# Altium PCB S3220A.PcbDoc (part 2 of 3) (continued)
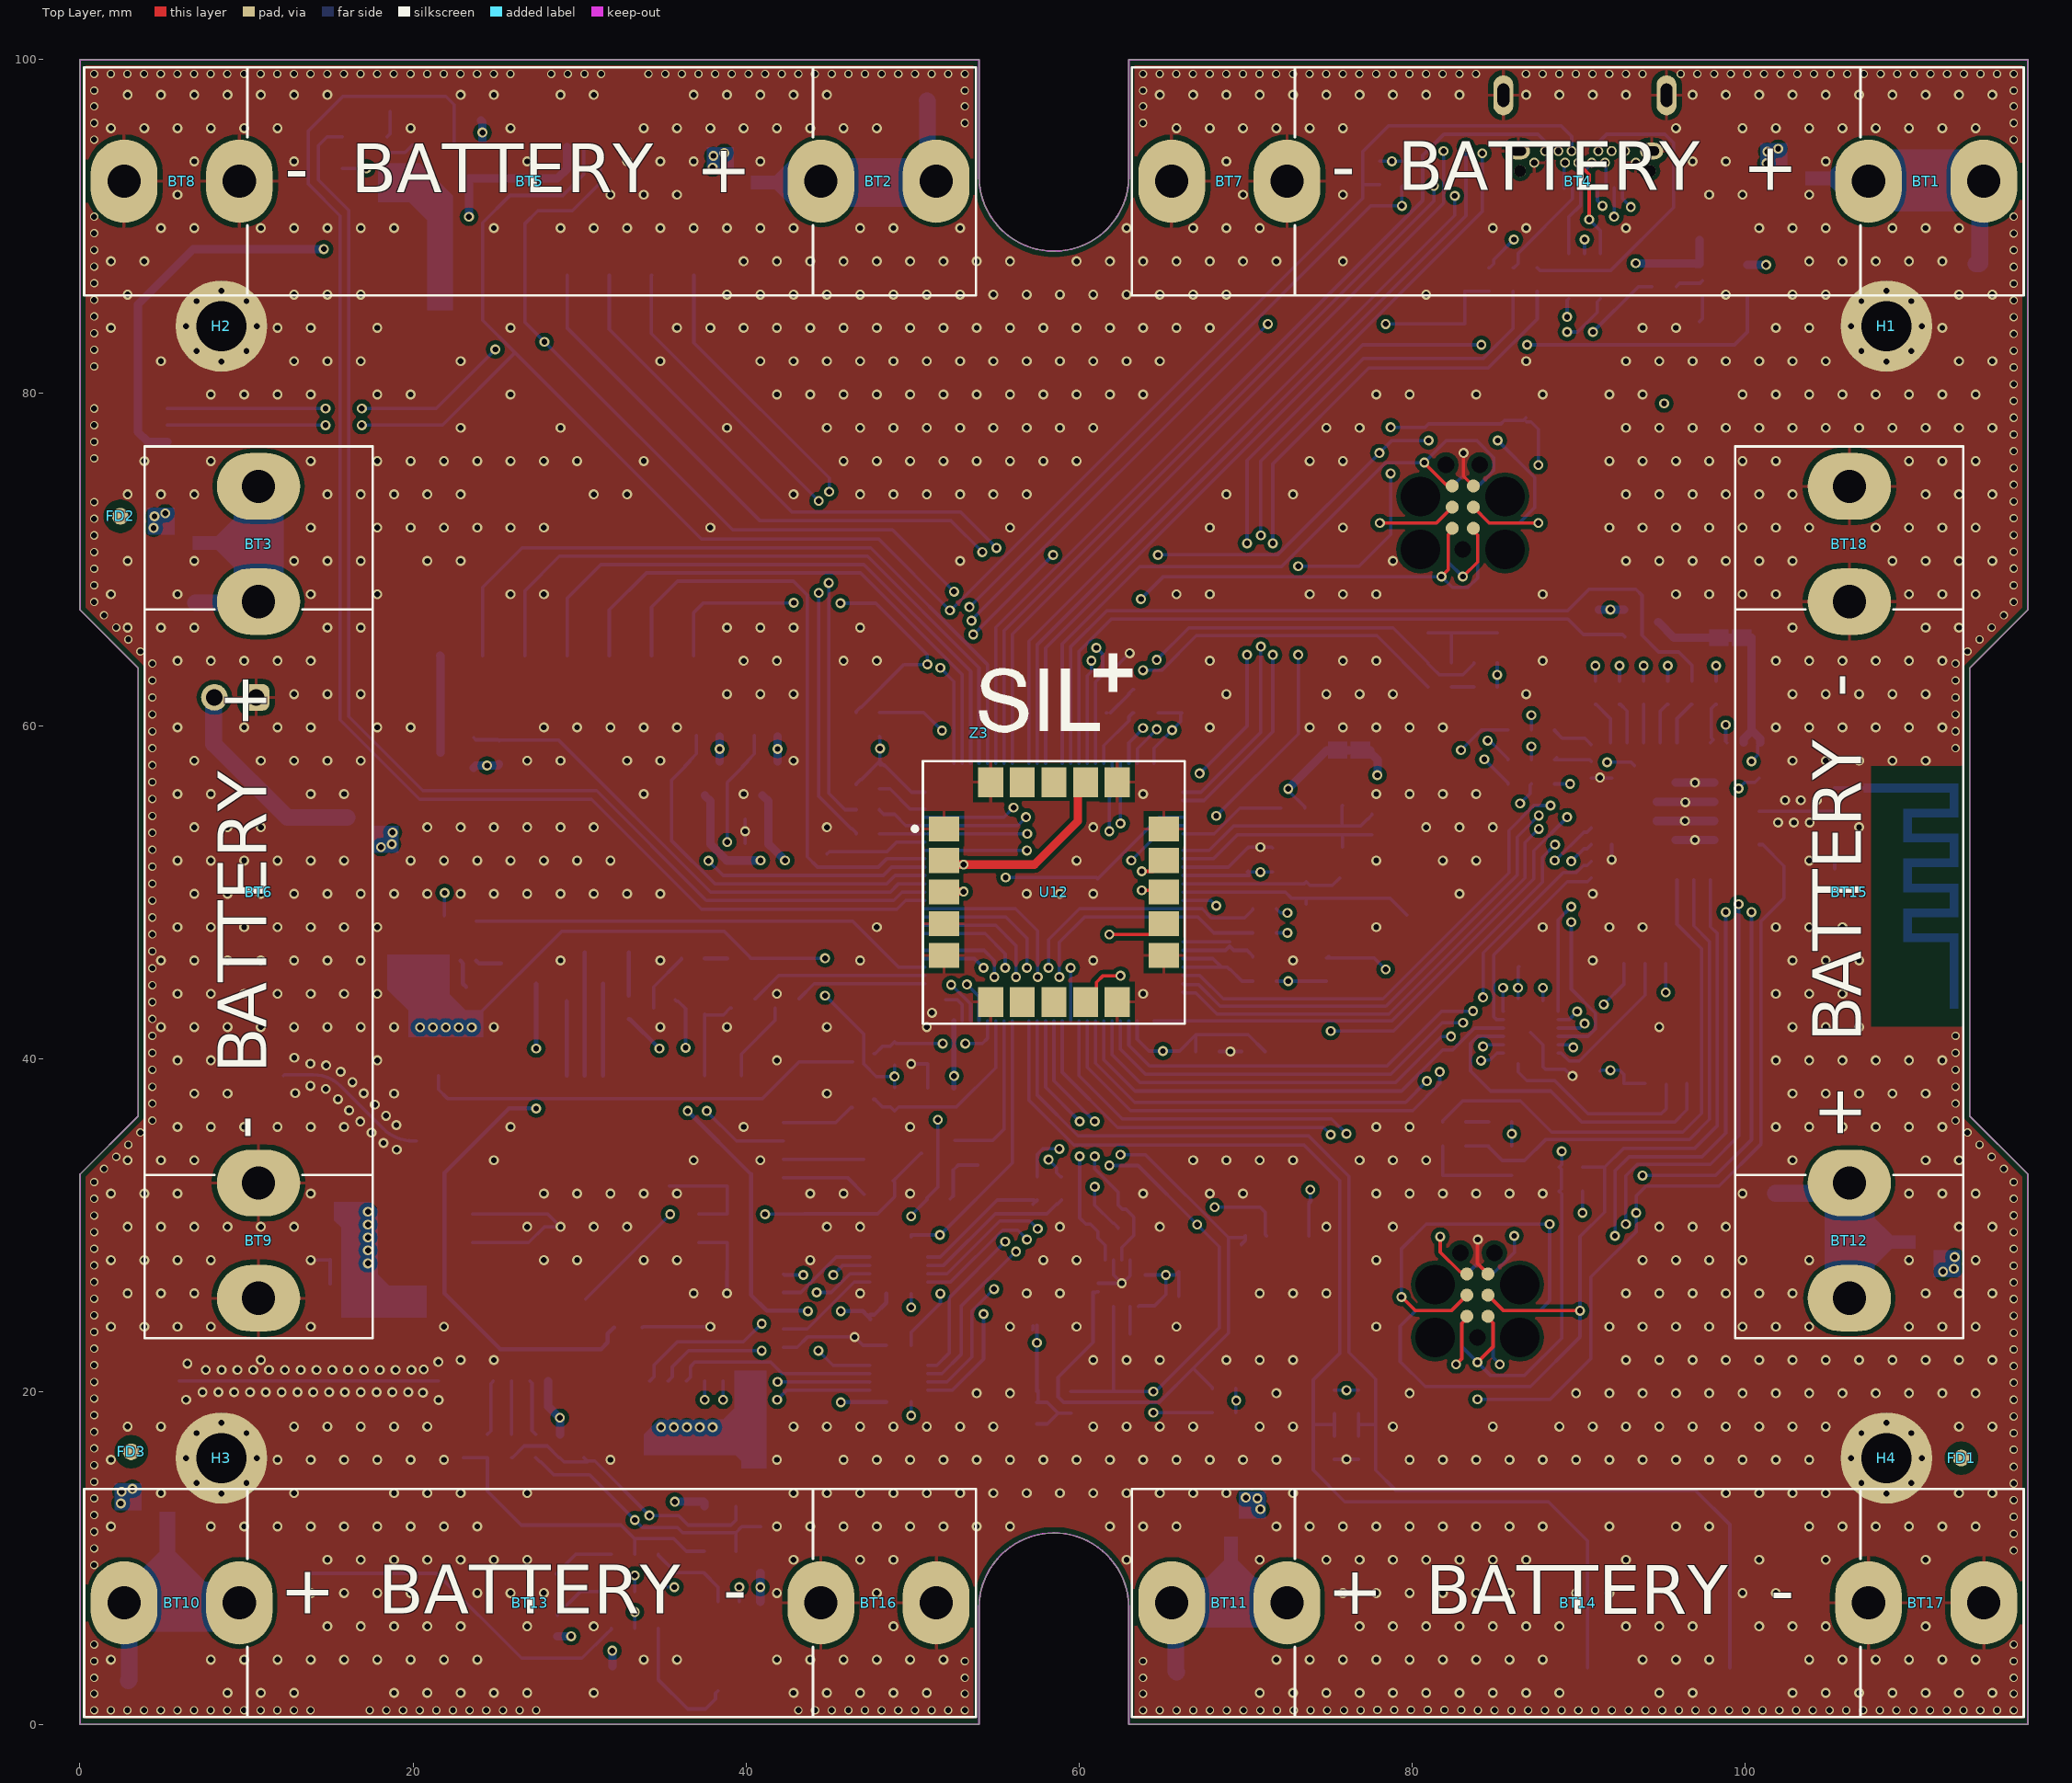
[diagram p0: Top Layer view]
## Nets (pads, with @x,y where several pads share a name; then routed paths per layer and width w, separated by ;. In a path a pad name is that pad's centre, name@x,y a point inside that pad or via, vN(x,y) a via of type N, cw(c..) or ccw(c..) an arc to the next point about the centre after c; other vN are vias at no path point) (continued)
FLASH_MOSI: U16.12 U17.5 | length 19.9
  Bottom Layer w0.2: U16.12@85.481,41.333 83.958,41.333 83.525,40.9 83.525,39.25 84.725,38.05 88.35,38.05 90.225,36.175 95.775,36.175 96.525,36.925 U17.5@96.525,38.5
FLASH_MOSI_BLE: U11.47 U16.14 | length 12.1
  Bottom Layer w0.2: U16.14@85.481,42.333 85.092,42.333 84.925,42.5 84.925,46.219 89.331,50.625 90.55,50.625 U11.47@90.775,50.85
FLASH_MOSI_CPU: U3.32 U16.13 | length 28.7
  Bottom Layer w0.2: U3.32@61.5,42.262 61.5,39.925 63.375,38.05 79.375,38.05 81.85,40.525 82.45,40.525 83.758,41.833 U16.13@85.481,41.833
FLASH_SCK: U16.9 U17.6 | length 12
  Bottom Layer w0.2: U16.9@86.381,39.683 86.381,39.194 86.9,38.675 88.575,38.675 90.575,36.675 94.975,36.675 95.275,36.975 U17.6@95.275,38.45
FLASH_SCK_BLE: U11.48 U16.11 | length 15.7
  Internal 2 w0.2: v1(84.275,40.725) v1(84.275,43.675)
  Bottom Layer w0.2: v1(84.275,40.725) 84.383,40.725 84.491,40.833 U16.11@85.481,40.833 ; v1(84.275,43.675) 84.275,46.344 89.106,51.175 89.875,51.175 90.3,51.6 90.525,51.6 U11.48@90.775,51.85
FLASH_SCK_CPU: U3.30 U16.10 | length 28.4
  Internal 2 w0.2: v1(83.075,42.15) 83.075,40.95 v1(84.15,39.875)
  Bottom Layer w0.2: U3.30@62.5,42.262 62.5,40.55 64,39.05 78.725,39.05 81.825,42.15 v1(83.075,42.15) ; v1(84.15,39.875) 84.187,39.912 84.687,39.912 85.108,40.333 U16.10@85.481,40.333
GND: BT7.1 BT8.1 BT9.1 BT16.1 BT17.1 BT18.1 C1.1 C2.1 C3.1 C4.1 C5.1 C6.1 C7.1 C8.1 C9.1 C10.1 C11.1 C12.1 C13.1 C14.1 C15.1 C17.1 C18.1 C19.1 C20.1 C21.1 C22.1 C23.1 C24.1 C25.1 C26.1 C27.1 C28.1 C29.1 C30.1 C31.1 C32.1 C33.2 C34.1 C35.1 C36.1 C37.1 C38.1 C39.1 C40.1 C41.2 C42.1 C43.1 C44.2 C45.2 C46.1 C47.1 C48.1 C49.1 C50.1 C51.1 C52.1 C53.1 C54.1 C55.2 C56.1 C57.2 C58.2 C59.1 C60.1 C61.2 CN1.1 CN2.A1 CN2.A12 CN2.B1 CN2.B12 CN2.S1@85.498,97.865 CN2.S2@95.298,97.865 CN2.S3@86.398,94.515 CN2.S4@94.398,94.515 CN3.1 CN4.1 CN5.2 CN6.2 CN7.5 CN8.G CN9.G CN10.0 CN10.C5 CN11.G CN12.5 D2.1 H1.0 H2.0 H3.0 H4.0 M1.1 M1.16 PB1.1 PB2.2 PB3.2 PB4.1 Q1.1 Q2.1 Q3.1 Q4.1 Q5.1 Q6.1 Q7.1 Q10.2 Q11.2 Q12.2 Q13.2 Q14.2 R4.1 R12.1 R20.1 R21.1 R49.2 U1.2 U2.2 U3.10 U3.27 U3.49 U3.74 U3.99 U4.2 U5.C5 U6.2 U7.3 U7.31 U7.47 U7.48 U7.50 U7.54 U7.55 U7.58 U7.59 U7.61 U7.62 U7.67 U7.68 U7.69 U7.70 U7.71 U7.72 U7.73 U7.74 U7.79 U7.80 U7.81 U7.82 U7.89 U7.90 U7.91 U7.100 U7.101 U7.102 U8.7 U9.7 U10.2 U11.6 U11.12 U11.14 U11.26 U11.30 U11.53 U11.56 U11.57 U11.58 U11.59 U11.60 U11.61 U11.62 U11.63 U11.64 U11.65 U11.66 U11.67 U12.1 U12.4 U12.5 U12.6 U12.10 U12.11 U12.15 U12.16 U12.20 U13.1 U13.2 U13.3 U13.4 U13.7 U14.1 U14.7 U15.5 U15.7 U15.10 U15.12 U16.8 U16.17 U17.4 | length 85.5
  Top Layer w0.2: v1(83.1,76.375) 83.1,74.99 CN7.5@83.695,74.395 ; v1@83.935,29.125 83.935,27.695 CN12.5@84.57,27.06
  Bottom Layer w0.2: v1(13.862,27.892) 14.992,27.892 C34.1@15.025,27.925 C33.2@15.025,26.475 ; U7.80@23.575,28.95 U7.100@25.275,28.95 26.95,28.95 27.892,29.892 v1(28.862,29.892) 28.104,30.65 U7.101@25.275,30.65 U7.81@23.575,30.65 ; U7.74@33.775,23.85 33.817,23.892 v1(37.862,23.892) ; 35.4,32.35 U7.89@37.175,32.35 U7.69@38.875,32.35 U7.70@38.875,30.65 U7.90@37.175,30.65 ; U7.91@37.175,28.95 U7.71@38.875,28.95 U7.72@38.875,27.25 38.862,27.237 v1(38.862,25.892) ; C51.1@39.95,52.925 C50.1@39.95,54.375 ; U7.31@42.25,22.65 43.075,22.65 43.7,23.275 v1(46.525,23.275) 47.025,22.775 U8.7@48.425,22.775 ; v1(49.925,39.675) C22.1@50.925,39.675 C21.1@50.925,38.225 ; 52,43.525 52.7,43.525 53,43.225 U3.49@53,42.262 ; U15.7@61.175,26.5 v1@62.575,26.5 ; R21.1@61.85,62.175 61.85,63.15 v1(63.05,64.35) ; U15.10@62.075,27.9 62.075,27 v1@62.575,26.5 ; U15.12@63.075,27.9 63.075,26.95 62.625,26.5 v1@62.575,26.5 ; U3.10@66.238,51.5 68.975,51.5 69.875,52.4 70.125,52.65 C17.1@70.175,52.65 ; C19.1@68.425,40.425 C20.1@69.775,40.425 ; C17.1@70.175,52.7 70.85,52.7 70.9,52.65 70.95,52.7 71.575,52.7 C18.1@71.625,52.65 ; C10.1@75.35,15.925 C9.1@76.8,15.925 ; CN7.5@82.425,74.395 82.445,74.395 83.1,75.05 v1(83.1,76.375) ; CN12.5@83.3,27.06 83.935,27.695 v1@83.935,29.125 ; U16.17@87.125,41.575 87.881,40.819 U16.8@87.881,39.683 87.881,39.514 88.045,39.35 89.201,39.35 89.601,38.95 v1(89.65,38.95) ; U11.53@90.775,56.85 U11.30@92,56.85 ; v1(92,51.95) U11.26@92,52.85
  Bottom Layer w0.5: U11.58@94.7,54.275 U11.59@95.85,54.275 U11.60@97,54.275 U11.61@98.15,54.275 ; U11.62@94.7,55.425 U11.63@95.85,55.425 U11.64@97,55.425 U11.65@98.15,55.425 ; U11.56@95.85,53.125 U11.57@98.15,53.125 ; U11.66@95.85,56.575 U11.67@98.15,56.575
  other v1: 8.862,1.892 10.862,1.892 12.862,1.892 18.862,1.892 20.862,1.892 22.862,1.892 24.862,1.892 26.862,1.892 30.862,1.892 42.862,1.892 44.862,1.892 46.862,1.892 48.862,1.892 50.862,1.892 70.862,1.892 72.862,1.892 74.862,1.892 76.862,1.892 78.862,1.892 80.862,1.892 82.862,1.892 84.862,1.892 86.862,1.892 88.862,1.892 94.862,1.892 96.862,1.892 102.862,1.892 104.862,1.892 106.862,1.892 108.862,1.892 110.862,1.892 112.862,1.892 114.862,1.892 1.862,3.892 7.862,3.892 9.862,3.892 11.862,3.892 13.862,3.892 15.862,3.892 17.862,3.892 19.862,3.892 21.862,3.892 23.862,3.892 33.862,3.892 35.862,3.892 41.862,3.892 43.862,3.892 45.862,3.892 47.862,3.892 49.862,3.892 51.862,3.892 71.862,3.892 73.862,3.892 75.862,3.892 77.862,3.892 79.862,3.892 81.862,3.892 83.862,3.892 85.862,3.892 87.862,3.892 93.862,3.892 95.862,3.892 97.862,3.892 103.862,3.892 105.862,3.892 107.862,3.892 109.862,3.892 111.862,3.892 113.862,3.892 14.862,5.892 16.862,5.892 18.862,5.892 20.862,5.892 22.862,5.892 26.862,5.892 30.862,5.892 48.862,5.892 76.862,5.892 78.862,5.892 80.862,5.892 82.862,5.892 84.862,5.892 86.862,5.892 88.862,5.892 92.862,5.892 94.862,5.892 96.862,5.892 100.862,5.892 102.862,5.892 104.862,5.892 110.862,5.892 13.862,7.892 15.862,7.892 17.862,7.892 19.862,7.892 23.862,7.892 25.862,7.892 27.862,7.892 41.862,7.892 47.862,7.892 75.862,7.892 77.862,7.892 79.862,7.892 81.862,7.892 83.862,7.892 85.862,7.892 89.862,7.892 91.862,7.892 99.862,7.892 101.862,7.892 14.862,9.892 16.862,9.892 18.862,9.892 20.862,9.892 22.862,9.892 24.862,9.892 26.862,9.892 42.862,9.892 46.862,9.892 48.862,9.892 62.862,9.892 70.862,9.892 74.862,9.892 76.862,9.892 78.862,9.892 80.862,9.892 82.862,9.892 84.862,9.892 86.862,9.892 92.862,9.892 100.862,9.892 104.862,9.892 110.862,9.892 1.862,11.892 7.862,11.892 9.862,11.892 11.862,11.892 13.862,11.892 15.862,11.892 17.862,11.892 19.862,11.892 21.862,11.892 23.862,11.892 41.862,11.892 43.862,11.892 45.862,11.892 47.862,11.892 49.862,11.892 51.862,11.892 53.862,11.892 55.862,11.892 61.862,11.892 63.862,11.892 65.862,11.892 71.862,11.892 73.862,11.892 75.862,11.892 77.862,11.892 79.862,11.892 81.862,11.892 83.862,11.892 85.862,11.892 87.862,11.892 91.862,11.892 95.862,11.892 97.862,11.892 103.862,11.892 105.862,11.892 107.862,11.892 109.862,11.892 111.862,11.892 113.862,11.892 4.862,13.892 12.862,13.892 18.862,13.892 20.862,13.892 22.862,13.892 26.862,13.892 42.862,13.892 44.862,13.892 46.862,13.892 48.862,13.892 50.862,13.892 52.862,13.892 54.862,13.892 56.862,13.892 58.862,13.892 60.862,13.892 62.862,13.892 64.862,13.892 66.862,13.892 68.862,13.892 72.862,13.892 98.862,13.892 100.862,13.892 102.862,13.892 104.862,13.892 112.862,13.892 114.862,13.892 1.862,15.892 11.862,15.892 13.862,15.892 15.862,15.892 17.862,15.892 19.862,15.892 21.862,15.892 31.862,15.892 41.862,15.892 45.862,15.892 47.862,15.892 49.862,15.892 51.862,15.892 53.862,15.892 55.862,15.892 57.862,15.892 59.862,15.892 61.862,15.892 63.862,15.892 65.862,15.892 67.862,15.892 69.862,15.892 71.862,15.892 79.862,15.892 81.862,15.892 83.862,15.892 85.862,15.892 87.862,15.892 89.862,15.892 91.862,15.892 93.862,15.892 95.862,15.892 97.862,15.892 99.862,15.892 101.862,15.892 103.862,15.892 76.075,15.925 2.862,17.892 4.862,17.892 12.862,17.892 14.862,17.892 16.862,17.892 18.862,17.892 20.862,17.892 42.862,17.892 44.862,17.892 46.862,17.892 48.862,17.892 50.862,17.892 52.862,17.892 54.862,17.892 60.862,17.892 62.862,17.892 64.862,17.892 66.862,17.892 70.862,17.892 72.862,17.892 78.862,17.892 84.862,17.892 88.862,17.892 90.862,17.892 92.862,17.892 94.862,17.892 96.862,17.892 98.862,17.892 100.862,17.892 102.862,17.892 104.862,17.892 112.862,17.892 114.862,17.892 6.375,19.5 21.539,19.489 53.862,19.892 55.862,19.892 71.862,19.892 79.862,19.892 89.862,19.892 91.862,19.892 93.862,19.892 95.862,19.892 97.862,19.892 99.862,19.892 101.862,19.892 103.862,19.892 105.862,19.892 107.862,19.892 109.862,19.892 111.862,19.892 113.862,19.892 20.6,19.925 7.363,19.956 8.313,19.956 9.263,19.956 10.213,19.956 11.163,19.956 12.113,19.956 13.063,19.956 14.013,19.956 14.963,19.956 15.913,19.956 16.863,19.956 17.813,19.956 18.763,19.956 19.713,19.956 7.556,21.294 8.506,21.294 9.456,21.294 10.406,21.294 11.356,21.294 12.306,21.294 13.256,21.294 14.206,21.294 15.156,21.294 16.106,21.294 17.056,21.294 18.006,21.294 18.956,21.294 19.906,21.294 20.65,21.325 6.45,21.675 21.525,21.775 10.862,21.892 22.862,21.892 24.862,21.892 60.862,21.892 62.862,21.892 64.862,21.892 68.862,21.892 70.862,21.892 72.862,21.892 92.862,21.892 94.862,21.892 96.862,21.892 98.862,21.892 100.862,21.892 102.862,21.892 104.862,21.892 106.862,21.892 108.862,21.892 110.862,21.892 112.862,21.892 114.862,21.892 1.862,23.892 3.862,23.892 5.862,23.892 7.862,23.892 13.862,23.892 21.862,23.892 55.862,23.892 59.862,23.892 65.862,23.892 77.862,23.892 91.862,23.892 93.862,23.892 95.862,23.892 97.862,23.892 99.862,23.892 101.862,23.892 103.862,23.892 109.862,23.892 111.862,23.892 113.862,23.892 2.862,25.892 4.862,25.892 6.862,25.892 36.862,25.892 46.862,25.892 56.862,25.892 58.862,25.892 70.862,25.892 72.862,25.892 74.862,25.892 92.862,25.892 94.862,25.892 96.862,25.892 98.862,25.892 100.862,25.892 102.862,25.892 110.862,25.892 112.862,25.892 114.862,25.892 62.575,26.5 1.862,27.892 3.862,27.892 5.862,27.892 7.862,27.892 27.862,27.892 29.862,27.892 33.862,27.892 35.862,27.892 43.862,27.892 57.862,27.892 59.862,27.892 77.862,27.892 93.862,27.892 95.862,27.892 97.862,27.892 99.862,27.892 103.862,27.892 109.862,27.892 113.862,27.892 83.96,29.125 2.862,29.892 4.862,29.892 6.862,29.892 8.862,29.892 10.862,29.892 12.862,29.892 26.862,29.892 30.862,29.892 32.862,29.892 44.862,29.892 46.862,29.892 58.862,29.892 64.862,29.892 74.862,29.892 78.862,29.892 94.862,29.892 96.862,29.892 98.862,29.892 112.862,29.892 114.862,29.892 1.862,31.892 3.862,31.892 5.862,31.892 13.862,31.892 27.862,31.892 29.862,31.892 31.862,31.892 33.862,31.892 35.862,31.892 43.862,31.892 45.862,31.892 49.862,31.892 63.862,31.892 67.862,31.892 69.862,31.892 77.862,31.892 79.862,31.892 81.862,31.892 83.862,31.892 85.862,31.892 87.862,31.892 99.862,31.892 109.862,31.892 111.862,31.892 113.862,31.892 2.862,33.892 4.862,33.892 6.862,33.892 24.862,33.892 36.862,33.892 40.862,33.892 66.862,33.892 68.862,33.892 70.862,33.892 72.862,33.892 76.862,33.892 78.862,33.892 80.862,33.892 102.862,33.892 110.862,33.892 112.862,33.892 19.025,34.525 18.227,34.924 17.509,35.545 5.862,35.892 7.862,35.892 9.862,35.892 11.862,35.892 13.862,35.892 15.862,35.892 25.862,35.892 39.862,35.892 49.862,35.892 77.862,35.892 79.862,35.892 101.862,35.892 103.862,35.892 105.862,35.892 107.862,35.892 109.862,35.892 111.862,35.892 19,36 16.837,36.217 18.384,36.562 16.165,36.889 17.712,37.234 15.494,37.56 6.862,37.892 8.862,37.892 18.862,37.892 44.862,37.892 102.862,37.892 104.862,37.892 106.862,37.892 108.862,37.892 110.862,37.892 17.04,37.906 12.925,37.925 14.767,38.173 13.835,38.356 16.369,38.578 15.654,39.203 14.785,39.589 13.841,39.694 5.862,39.892 7.862,39.892 17.862,39.892 41.862,39.892 101.862,39.892 103.862,39.892 105.862,39.892 107.862,39.892 109.862,39.892 111.862,39.892 12.875,40.05 69.1,40.425 4.862,41.892 6.862,41.892 8.862,41.892 10.862,41.892 12.862,41.892 14.862,41.892 16.862,41.892 18.862,41.892 24.862,41.892 34.862,41.892 38.862,41.892 44.862,41.892 50.862,41.892 94.862,41.892 102.862,41.892 104.862,41.892 106.862,41.892 51.175,42.75 5.862,43.892 7.862,43.892 9.862,43.892 11.862,43.892 13.862,43.892 15.862,43.892 17.862,43.892 41.862,43.892 63.862,43.892 101.862,43.892 103.862,43.892 105.862,43.892 4.862,45.892 6.862,45.892 8.862,45.892 10.862,45.892 12.862,45.892 14.862,45.892 16.862,45.892 28.862,45.892 34.862,45.892 46.862,45.892 60.862,45.892 72.862,45.892 90.862,45.892 102.862,45.892 104.862,45.892 106.862,45.892 5.862,47.892 7.862,47.892 9.862,47.892 11.862,47.892 13.862,47.892 15.862,47.892 17.862,47.892 47.862,47.892 77.862,47.892 87.862,47.892 91.862,47.892 93.862,47.892 101.862,47.892 103.862,47.892 105.862,47.892 6.862,49.892 8.862,49.892 10.862,49.892 12.862,49.892 14.862,49.892 16.862,49.892 18.862,49.892 20.862,49.892 22.862,49.892 24.862,49.892 26.862,49.892 28.862,49.892 30.862,49.892 32.862,49.892 34.862,49.892 56.862,49.892 58.862,49.892 60.862,49.892 82.862,49.892 90.862,49.892 5.862,51.892 7.862,51.892 9.862,51.892 11.862,51.892 13.862,51.892 15.862,51.892 19.862,51.892 21.862,51.892 23.862,51.892 25.862,51.892 27.862,51.892 29.862,51.892 31.862,51.892 59.862,51.892 77.862,51.892 81.862,51.892 83.862,51.892 103.862,51.892 70.9,52.7 97,53.125 39.95,53.65 6.862,53.892 8.862,53.892 10.862,53.892 20.862,53.892 22.862,53.892 24.862,53.892 26.862,53.892 28.862,53.892 30.862,53.892 44.862,53.892 60.862,53.892 80.862,53.892 82.862,53.892 84.862,53.892 106.862,53.892 101.995,54.181 102.945,54.181 103.895,54.181 96.4,54.275 96.425,55.4 102.412,55.519 103.362,55.519 104.312,55.519 5.862,55.892 7.862,55.892 13.862,55.892 15.862,55.892 33.862,55.892 39.862,55.892 63.862,55.892 77.862,55.892 79.862,55.892 81.862,55.892 83.862,55.892 97,56.575 91.3,56.875 6.862,57.892 10.862,57.892 12.862,57.892 14.862,57.892 16.862,57.892 26.862,57.892 28.862,57.892 32.862,57.892 34.862,57.892 42.862,57.892 102.862,57.892 104.862,57.892 106.862,57.892 108.862,57.892 110.862,57.892 5.862,59.892 9.862,59.892 11.862,59.892 13.862,59.892 17.862,59.892 19.862,59.892 27.862,59.892 29.862,59.892 31.862,59.892 33.862,59.892 35.862,59.892 67.862,59.892 73.862,59.892 75.862,59.892 77.862,59.892 79.862,59.892 81.862,59.892 101.862,59.892 103.862,59.892 105.862,59.892 107.862,59.892 109.862,59.892 111.862,59.892 12.862,61.892 14.862,61.892 16.862,61.892 38.862,61.892 40.862,61.892 42.862,61.892 68.862,61.892 74.862,61.892 76.862,61.892 78.862,61.892 86.862,61.892 102.862,61.892 104.862,61.892 106.862,61.892 108.862,61.892 110.862,61.892 5.862,63.892 7.862,63.892 9.862,63.892 11.862,63.892 13.862,63.892 39.862,63.892 41.862,63.892 45.862,63.892 47.862,63.892 67.862,63.892 75.862,63.892 77.862,63.892 87.862,63.892 101.862,63.892 103.862,63.892 105.862,63.892 107.862,63.892 109.862,63.892 111.862,63.892 2.862,65.892 4.862,65.892 6.862,65.892 14.862,65.892 16.862,65.892 38.862,65.892 40.862,65.892 42.862,65.892 46.862,65.892 102.862,65.892 110.862,65.892 112.862,65.892 1.862,67.892 5.862,67.892 13.862,67.892 17.862,67.892 25.862,67.892 27.862,67.892 65.862,67.892 67.862,67.892 73.862,67.892 75.862,67.892 77.862,67.892 87.862,67.892 95.862,67.892 97.862,67.892 99.862,67.892 101.862,67.892 109.862,67.892 111.862,67.892 113.862,67.892 2.862,69.892 6.862,69.892 12.862,69.892 14.862,69.892 16.862,69.892 20.862,69.892 22.862,69.892 52.862,69.892 78.862,69.892 92.862,69.892 94.862,69.892 96.862,69.892 98.862,69.892 100.862,69.892 102.862,69.892 108.862,69.892 110.862,69.892 112.862,69.892 114.862,69.892 13.862,71.892 17.862,71.892 19.862,71.892 21.862,71.892 23.862,71.892 25.862,71.892 27.862,71.892 37.862,71.892 55.862,71.892 67.862,71.892 75.862,71.892 91.862,71.892 93.862,71.892 95.862,71.892 97.862,71.892 99.862,71.892 101.862,71.892 103.862,71.892 107.862,71.892 109.862,71.892 111.862,71.892 113.862,71.892 2.862,73.892 4.862,73.892 6.862,73.892 14.862,73.892 16.862,73.892 18.862,73.892 20.862,73.892 22.862,73.892 30.862,73.892 32.862,73.892 42.862,73.892 46.862,73.892 48.862,73.892 50.862,73.892 52.862,73.892 54.862,73.892 56.862,73.892 68.862,73.892 72.862,73.892 92.862,73.892 94.862,73.892 96.862,73.892 98.862,73.892 100.862,73.892 102.862,73.892 110.862,73.892 112.862,73.892 114.862,73.892 3.862,75.892 7.862,75.892 13.862,75.892 17.862,75.892 19.862,75.892 21.862,75.892 23.862,75.892 25.862,75.892 27.862,75.892 29.862,75.892 33.862,75.892 45.862,75.892 47.862,75.892 49.862,75.892 51.862,75.892 53.862,75.892 55.862,75.892 57.862,75.892 59.862,75.892 73.862,75.892 75.862,75.892 91.862,75.892 93.862,75.892 95.862,75.892 97.862,75.892 99.862,75.892 101.862,75.892 109.862,75.892 111.862,75.892 113.862,75.892 22.862,77.892 28.862,77.892 38.862,77.892 44.862,77.892 46.862,77.892 48.862,77.892 50.862,77.892 52.862,77.892 54.862,77.892 56.862,77.892 58.862,77.892 60.862,77.892 74.862,77.892 76.862,77.892 92.862,77.892 94.862,77.892 96.862,77.892 98.862,77.892 100.862,77.892 102.862,77.892 104.862,77.892 106.862,77.892 108.862,77.892 110.862,77.892 112.862,77.892 114.862,77.892 7.862,79.892 9.862,79.892 11.862,79.892 13.862,79.892 17.862,79.892 19.862,79.892 25.862,79.892 41.862,79.892 43.862,79.892 45.862,79.892 47.862,79.892 49.862,79.892 51.862,79.892 53.862,79.892 55.862,79.892 57.862,79.892 59.862,79.892 61.862,79.892 63.862,79.892 77.862,79.892 79.862,79.892 83.862,79.892 87.862,79.892 91.862,79.892 93.862,79.892 99.862,79.892 101.862,79.892 103.862,79.892 105.862,79.892 107.862,79.892 109.862,79.892 111.862,79.892 113.862,79.892 4.862,81.892 12.862,81.892 14.862,81.892 16.862,81.892 22.862,81.892 34.862,81.892 40.862,81.892 42.862,81.892 44.862,81.892 46.862,81.892 48.862,81.892 50.862,81.892 52.862,81.892 54.862,81.892 56.862,81.892 58.862,81.892 60.862,81.892 62.862,81.892 64.862,81.892 86.862,81.892 92.862,81.892 94.862,81.892 96.862,81.892 98.862,81.892 100.862,81.892 102.862,81.892 104.862,81.892 112.862,81.892 114.862,81.892 1.862,83.892 11.862,83.892 13.862,83.892 17.862,83.892 25.862,83.892 35.862,83.892 37.862,83.892 39.862,83.892 41.862,83.892 43.862,83.892 45.862,83.892 47.862,83.892 49.862,83.892 51.862,83.892 53.862,83.892 55.862,83.892 57.862,83.892 59.862,83.892 61.862,83.892 63.862,83.892 65.862,83.892 67.862,83.892 93.862,83.892 95.862,83.892 101.862,83.892 103.862,83.892 111.862,83.892 2.862,85.892 12.862,85.892 14.862,85.892 16.862,85.892 38.862,85.892 40.862,85.892 42.862,85.892 44.862,85.892 46.862,85.892 48.862,85.892 50.862,85.892 52.862,85.892 54.862,85.892 56.862,85.892 58.862,85.892 60.862,85.892 62.862,85.892 64.862,85.892 66.862,85.892 68.862,85.892 80.862,85.892 98.862,85.892 102.862,85.892 104.862,85.892 112.862,85.892 114.862,85.892 1.862,87.892 3.862,87.892 39.862,87.892 41.862,87.892 43.862,87.892 45.862,87.892 47.862,87.892 49.862,87.892 51.862,87.892 53.862,87.892 55.862,87.892 59.862,87.892 61.862,87.892 63.862,87.892 65.862,87.892 67.862,87.892 69.862,87.892 71.862,87.892 75.862,87.892 103.862,87.892 105.862,87.892 107.862,87.892 109.862,87.892 111.862,87.892 4.862,89.892 6.862,89.892 10.862,89.892 12.862,89.892 14.862,89.892 16.862,89.892 18.862,89.892 24.862,89.892 28.862,89.892 30.862,89.892 32.862,89.892 34.862,89.892 36.862,89.892 38.862,89.892 40.862,89.892 42.862,89.892 46.862,89.892 48.862,89.892 52.862,89.892 62.862,89.892 66.862,89.892 68.862,89.892 70.862,89.892 84.862,89.892 86.862,89.892 92.862,89.892 100.862,89.892 102.862,89.892 104.862,89.892 108.862,89.892 110.862,89.892 112.862,89.892 5.862,91.892 31.862,91.892 33.862,91.892 35.862,91.892 69.862,91.892 75.862,91.892 97.862,91.892 99.862,91.892 103.862,91.892 6.862,93.892 12.862,93.892 26.862,93.892 32.862,93.892 34.862,93.892 36.862,93.892 40.862,93.892 68.862,93.892 96.862,93.892 98.862,93.892 104.862,93.892 1.862,95.892 3.862,95.892 5.862,95.892 7.862,95.892 9.862,95.892 11.862,95.892 19.862,95.892 25.862,95.892 33.862,95.892 35.862,95.892 37.862,95.892 39.862,95.892 41.862,95.892 43.862,95.892 45.862,95.892 47.862,95.892 65.862,95.892 67.862,95.892 69.862,95.892 71.862,95.892 73.862,95.892 75.862,95.892 95.862,95.892 99.862,95.892 101.862,95.892 103.862,95.892 105.862,95.892 107.862,95.892 109.862,95.892 111.862,95.892 113.862,95.892 2.862,97.892 4.862,97.892 6.862,97.892 8.862,97.892 10.862,97.892 12.862,97.892 14.862,97.892 22.862,97.892 24.862,97.892 28.862,97.892 30.862,97.892 36.862,97.892 38.862,97.892 40.862,97.892 42.862,97.892 44.862,97.892 64.862,97.892 66.862,97.892 68.862,97.892 70.862,97.892 72.862,97.892 74.862,97.892 76.862,97.892 78.862,97.892 80.862,97.892 82.862,97.892 86.862,97.892 88.862,97.892 90.862,97.892 92.862,97.892 96.862,97.892 98.862,97.892 100.862,97.892 102.862,97.892 104.862,97.892 106.862,97.892 108.862,97.892 110.862,97.892 112.862,97.892 114.862,97.892
  other v2: 0.85,0.85 1.85,0.85 2.85,0.85 3.85,0.85 4.85,0.85 5.85,0.85 6.85,0.85 7.85,0.85 8.85,0.85 9.85,0.85 10.85,0.85 11.85,0.85 12.85,0.85 13.85,0.85 17.404,0.85 18.404,0.85 19.404,0.85 20.404,0.85 21.404,0.85 22.404,0.85 23.404,0.85 24.404,0.85 25.404,0.85 26.404,0.85 27.396,0.85 43.151,0.85 44.151,0.85 45.151,0.85 46.151,0.85 47.151,0.85 48.151,0.85 49.151,0.85 50.151,0.85 51.151,0.85 52.151,0.85 53.151,0.85 63.851,0.85 64.857,0.85 65.863,0.85 66.868,0.85 67.874,0.85 68.88,0.85 69.886,0.85 70.891,0.85 71.897,0.85 72.903,0.85 73.909,0.85 74.914,0.85 75.92,0.85 76.926,0.85 83.966,0.85 84.972,0.85 85.978,0.85 86.983,0.85 87.989,0.85 88.995,0.85 90.001,0.85 91.006,0.85 92.012,0.85 93.018,0.85 94.024,0.85 95.029,0.85 96.035,0.85 97.041,0.85 98.047,0.85 99.052,0.85 100.058,0.85 101.064,0.85 102.07,0.85 103.075,0.85 104.081,0.85 105.087,0.85 106.093,0.85 107.098,0.85 108.104,0.85 109.11,0.85 110.116,0.85 111.121,0.85 112.127,0.85 113.133,0.85 114.138,0.85 115.144,0.85 116.15,0.85 77.932,0.875 78.937,0.875 79.943,0.875 80.949,0.875 81.955,0.875 82.96,0.875 0.85,1.85 53.151,1.85 63.851,1.85 116.15,1.85 0.85,2.8 53.151,2.8 63.851,2.8 116.15,2.8 0.85,3.8 53.151,3.8 63.851,3.8 116.15,3.8 0.85,4.8 116.15,4.8 0.85,9.575 116.15,10.45 0.85,10.575 116.15,11.45 0.85,11.575 116.15,12.475 0.85,12.575 116.15,13.475 0.85,13.575 116.15,14.475 0.85,14.575 116.15,15.475 0.85,15.575 116.15,16.5 0.85,16.575 116.15,17.5 0.85,17.575 116.15,18.5 0.85,18.575 116.15,19.5 0.85,19.575 116.15,20.525 0.85,20.575 116.15,21.525 0.85,21.575 116.15,22.525 0.85,22.575 116.15,23.525 0.85,23.575 116.15,24.55 0.85,24.575 116.15,25.55 0.85,25.575 116.15,26.55 0.85,26.575 116.15,27.55 0.85,27.575 0.85,28.575 116.15,28.575 0.85,29.575 116.15,29.575 0.85,30.575 116.15,30.575 0.85,31.575 116.15,31.575 0.85,32.575 116.15,32.575 1.45,33.375 115.55,33.375 2.175,34.1 114.825,34.1 2.9,34.825 114.1,34.825 3.625,35.55 113.375,35.55 4.35,36.275 112.65,36.275 4.35,37.292 112.65,37.292 4.35,38.308 112.65,38.308 4.35,39.325 112.65,39.325 4.35,40.342 112.65,40.342 4.35,41.358 112.65,41.359 4.35,42.375 4.35,43.392 4.35,44.408 4.35,45.425 4.35,46.442 4.35,47.458 4.35,48.475 4.35,49.492 4.35,50.508 4.35,51.525 4.35,52.542 4.35,53.558 4.35,54.575 4.35,55.592 4.35,56.608 4.35,57.625 4.35,58.642 112.65,58.642 4.35,59.658 112.65,59.659 4.35,60.675 112.65,60.675 4.35,61.692 112.65,61.692 4.35,62.708 112.65,62.709 4.35,63.725 112.65,63.725 3.625,64.45 113.375,64.45 2.9,65.175 114.1,65.175 2.175,65.9 114.825,65.9 1.45,66.625 115.55,66.625 0.85,67.425 116.15,67.425 0.85,68.425 116.15,68.432 0.85,69.425 116.15,69.438 0.85,70.425 116.15,70.445 0.85,71.425 116.15,71.451 0.85,72.425 116.15,72.458 0.85,73.425 116.15,73.464 116.15,74.471 116.15,75.477 0.85,76.05 116.15,76.484 0.85,77.05 116.15,77.49 0.85,78.05 116.15,78.497 0.85,79.05 116.15,79.503 116.15,80.51 116.15,81.517 0.85,81.575 116.15,82.523 0.85,82.575 116.15,83.53 0.85,83.575 116.15,84.536 0.85,84.575 116.15,85.543 0.85,85.575 116.15,86.549 0.85,86.575 0.85,87.575 116.15,87.556 116.15,88.562 0.85,88.575 0.85,89.575 116.15,89.569 0.85,90.575 116.15,90.575 0.85,95.2 116.15,95.2 0.85,96.2 53.15,96.2 63.85,96.2 116.15,96.2 0.85,97.2 53.15,97.2 63.85,97.2 116.15,97.2 0.85,98.15 53.15,98.15 63.85,98.15 116.15,98.15 0.85,99.15 1.85,99.15 2.85,99.15 3.85,99.15 4.85,99.15 5.85,99.15 6.85,99.15 7.85,99.15 8.85,99.15 9.85,99.15 10.85,99.15 11.85,99.15 12.85,99.15 13.85,99.15 14.85,99.15 15.85,99.15 16.85,99.15 17.85,99.15 18.85,99.15 19.85,99.15 20.85,99.15 21.85,99.15 22.85,99.15 23.85,99.15 24.85,99.15 25.85,99.15 28.3,99.15 29.3,99.15 30.3,99.15 31.3,99.15 34.15,99.15 35.15,99.15 36.15,99.15 37.15,99.15 38.15,99.15 39.15,99.15 40.15,99.15 41.15,99.15 42.15,99.15 43.15,99.15 44.15,99.15 45.15,99.15 46.15,99.15 47.15,99.15 48.15,99.15 49.15,99.15 50.15,99.15 51.15,99.15 52.15,99.15 53.15,99.15 63.85,99.15 64.85,99.15 65.85,99.15 66.85,99.15 67.85,99.15 68.85,99.15 69.85,99.15 70.85,99.15 71.85,99.15 72.85,99.15 73.85,99.15 74.85,99.15 75.85,99.15 76.85,99.15 77.85,99.15 78.85,99.15 79.85,99.15 80.85,99.15 81.85,99.15 82.85,99.15 83.85,99.15 86.85,99.15 87.85,99.15 88.85,99.15 89.85,99.15 90.85,99.15 91.85,99.15 92.85,99.15 93.85,99.15 96.15,99.15 97.15,99.15 98.15,99.15 99.15,99.15 100.15,99.15 101.15,99.15 102.15,99.15 103.15,99.15 104.15,99.15 105.15,99.15 106.15,99.15 107.15,99.15 108.15,99.15 109.15,99.15 110.15,99.15 111.15,99.15 112.15,99.15 113.15,99.15 114.15,99.15 115.15,99.15 116.15,99.15
I2C1_SCL: R72.1 U3.95 U12.12 U13.6 U14.4 U15.4 | length 67.8
  Top Layer w0.2: v1(61.825,47.45) 64.45,47.45 U12.12@65.1,48.1
  Internal 1 w0.2: v1(64.476,18.725) v1(64.476,20) ; v1(67.1,30.025) v1@68.137,31.062
  Internal 2 w0.2: v1(61.825,33.575) v1(61.825,47.45) v1(61.825,53.65)
  Bottom Layer w0.2: U14.4@59.525,20 62.2,20 ; v1(61.825,33.575) 63.55,33.575 v1(67.1,30.025) 68.425,28.7 68.425,23.825 64.6,20 62.2,20 ; v1(61.825,53.65) 61.825,55.65 62,55.825 U3.95@62,57.738 ; U15.4@62.075,25.1 62.075,20.125 62.2,20 ; v1(64.476,18.725) R72.1@68.025,18.725 ; v1(68.15,31.075) 70.875,31.075 71.192,30.758 71.192,29.423 U13.6@71.265,29.35
I2C1_SDA: R73.1 U3.96 U12.9 U13.5 U14.3 U15.6 | length 63.8
  Top Layer w0.2: U12.9@60.4,43.4 61.05,44.05 61.05,44.575 61.45,44.975 v1(62.5,44.975)
  Internal 2 w0.2: v1(62.5,34.225) v1(62.5,44.975) v1(62.5,54.125)
  Bottom Layer w0.2: U15.6@61.175,26 61.05,26 61,25.95 60.85,25.95 60.85,22.95 58.75,20.85 58.75,19.675 59.075,19.35 U14.3@59.525,19.35 64.825,19.35 66.887,21.412 ; v1(62.5,34.225) 64,34.225 68.975,29.25 ; v1(62.5,54.125) U3.96@62.5,57.738 ; R73.1@68.025,20.175 68.025,20.225 66.887,21.362 66.887,21.412 ; U13.5@69.745,28.825 69.995,29.075 U13.5@69.995,29.35 69.895,29.25 68.975,29.25 ; 66.887,21.412 68.975,23.5 68.975,29.25
I2C2_SCL: CN2.A8 CN3.4 CN4.4 M1.4 R6.1 U3.47 | length 151.3
  Top Layer w0.2: v1(24.95,82.6) v1@25.052,82.6 ; v1@53.4,67.125 v1(53.425,67.125)
  Internal 1 w0.2: v1(14.75,79.05) v1(16.925,79.05) ; v1@25.052,82.6 25.502,83.05 v1(27.9,83.05) ; v1(79.4,91.225) v1(91.45,91.225)
  Internal 2 w0.2: 50.05,58.125 50.05,63.775 v1@53.4,67.125 ; 50.075,58.1 54.425,53.75 54.425,49.05 53.275,47.9 v1(53.275,44.45) ; v1(52.5,68.05) v1(53.425,67.125)
  Bottom Layer w0.2: CN4.4@5.25,79.05 v1(14.75,79.05) ; v1(16.925,79.05) 21.4,79.05 v1(24.95,82.6) ; CN3.4@31.25,94.75 31.25,92.6 29.575,90.925 27.5,90.925 26.715,90.14 M1.4@26.715,87.05 26.715,84.235 v1(27.9,83.05) 39.2,71.75 48.8,71.75 v1(52.5,68.05) ; v1@53.1,44.6 53.125,44.6 54,43.725 U3.47@54,42.262 ; v1(53.425,67.125) 77.525,91.225 v1(79.4,91.225) 79.4,92.375 R6.1@79.525,92.5 ; CN2.A8@91.148,92.29 91.148,91.527 v1(91.45,91.225)